# KiCad board V1.1_version_control.kicad_pcb (continued)
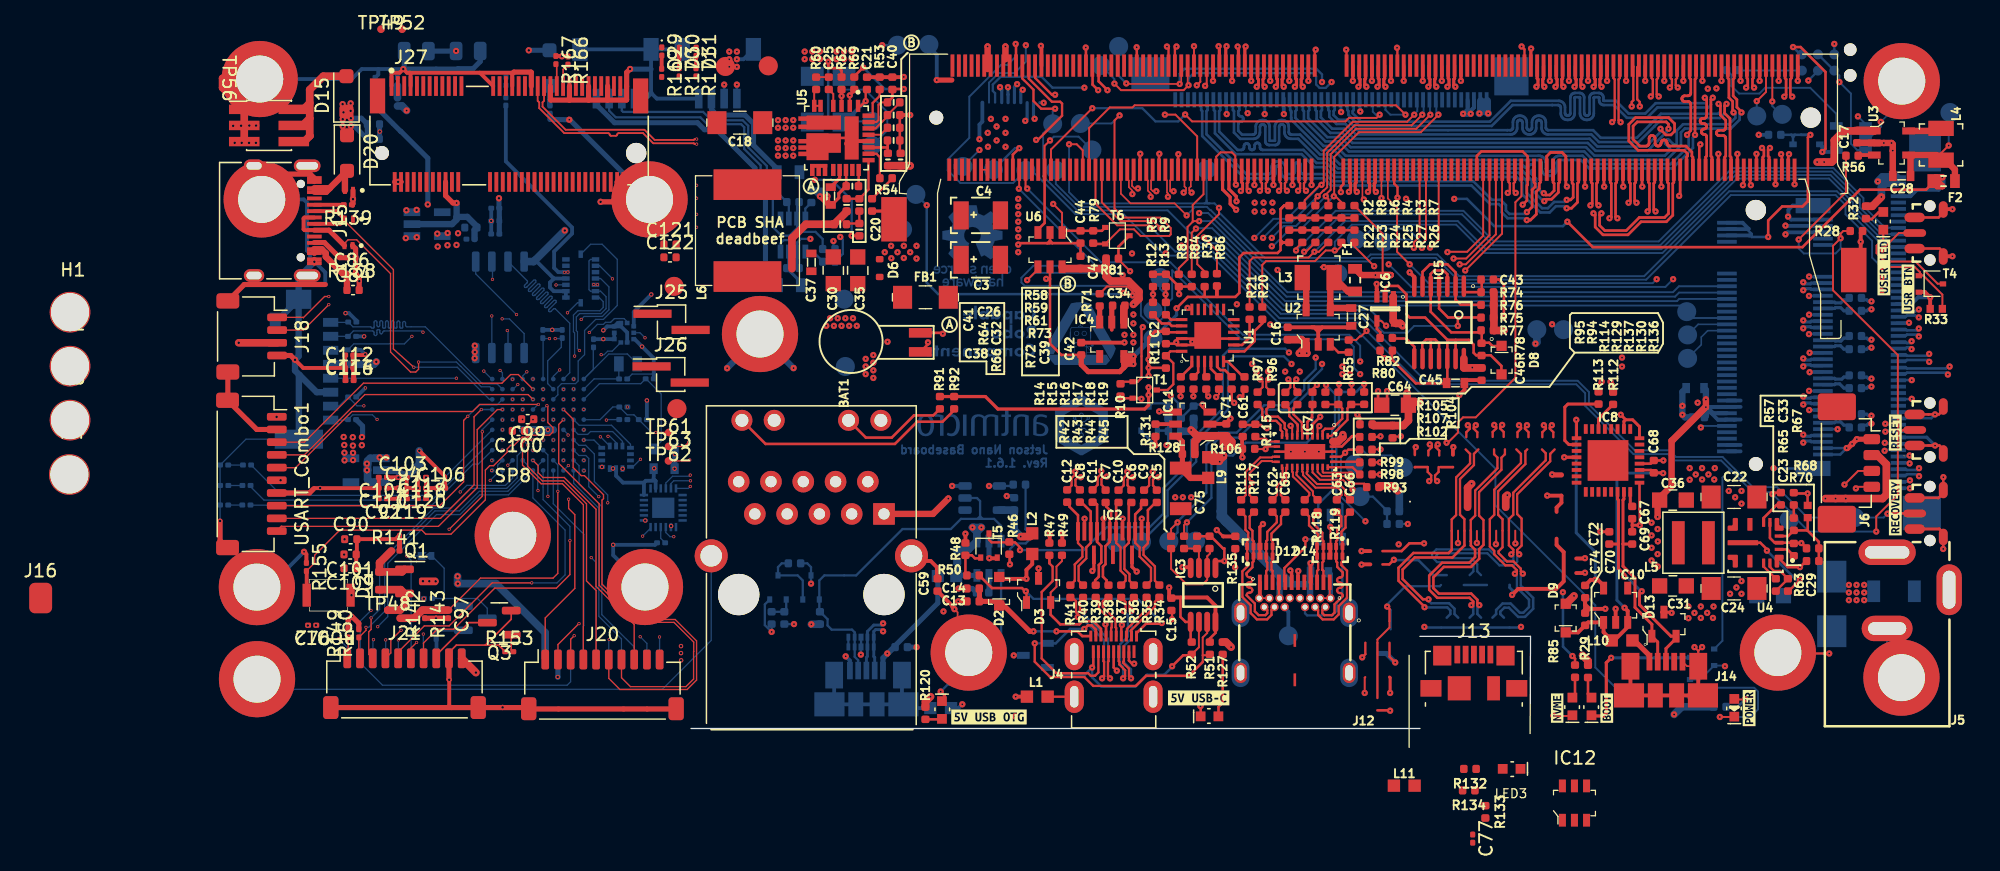
[diagram p0: board, top side]
## Via types
v1: diameter 0.5, hole 0.15, Top to Bottom, 798 vias
v2: diameter 0.5, hole 0.2, Top to Bottom, 64 vias
v3: diameter 0.35, hole 0.2, Top to Bottom, 51 vias
v4: diameter 0.25, hole 0.15, Top to Bottom, 144 vias

## Routing (per net, layer and track width the routed paths; a pad name or vN(x,y) marks a point on that pad's centre or on a via; arc(x,y) is an arc through that point)
1V8_DBG: length 16.7
  Top w0.23: IC8.1 69.67,25.77 v1(69.64,25.8)
  Top w0.3: IC10.5 71.79,12.75 71.34,13.2 v1(71.14,13.2) 70.78,13.2 C72.2
  Bottom w0.23: v1(69.64,25.8) 69.64,16.9 71.14,15.4 v1(71.14,13.2)
1V8_SYS: length 123.1
  Top w0.15: U6.1 29.19,42.1 v1(28.49,42.8)
  Top w0.2: v1(25.09,14.42) 25.07,14.44 25.07,15.18 ; 47.06,42.66 46.65,42.66 46.38,42.38 ; 46.38,42.38 46.66,42.67 R2.2 ; 46.38,42.38 46.38,39.96 ; 46.38,39.96 46.38,39.76 ; 46.38,39.96 46.57,39.77 46.71,39.77 ; 46.38,39.76 46.38,39.77 46.71,39.77 ; 46.38,39.76 46.38,39.56 ; v1(38.2,34.59) 39.09,35.48 40.36,35.48 ; R22.2 46.71,39.77 ; 46.71,39.77 46.58,39.77 46.38,39.56 ; 40.36,35.48 40.41,35.52 40.41,36.07 ; 40.36,35.48 42.82,35.48 43.14,35.8 43.14,38.6 43.48,38.93 46.15,38.93 46.38,39.16 46.38,39.56 ; U6.1 29.33,40.68 C44.2 R79.1 32.33,40.68 T6.1 ; U6.5 28.24,36.9 ; 28.24,36.9 28.24,31.8 29.13,30.9 C42.1 ; 28.24,36.9 v1(27.94,36.9)
  Top w0.23: 54.95,5.54 55,5.49 v1(55,4.29)
  Top w0.3: 41.37,35.53 41.37,36.34
  Top w0.4: 34.05,30.2 34.05,30.79 34.2,30.79 v1(34.8,30.19) ; 34.05,30.2 34.05,29.9 ; 34.05,30.2 34.06,30.19 v1(34.8,30.19) ; v1(34.8,30.19) 34.34,30.19 34.05,29.9 ; v1(34.8,30.19) v1(34.8,30.79) ; 34.05,29.9 33.74,29.59 31.25,29.59 30.7,30.14 C42.1
  Top w0.5: 34.05,30.79 v1(34.8,30.79)
  In2.Cu w0.15: v1(28.49,42.8) 28.49,37.45 v1(27.94,36.9)
  In5_3V3_SYS_SIGNAL.Cu w0.5: v1(34.8,30.19) 34.8,29.14 ; 36.49,14.75 25.42,14.75 v1(25.09,14.42) ; 36.49,14.75 37.19,14.75 37.44,14.49 ; 36.49,14.75 37.1,14.75 37.44,15.09 ; v1(55,4.29) 53.94,5.35 53.94,7.5 52.64,8.8 41.04,8.8 39.96,9.88 39.96,11.97 37.89,14.04 ; 37.44,15.09 37.34,14.99 37.34,14.59 37.89,14.04 ; 37.44,15.09 37.44,15.5 ; 37.89,14.04 37.44,14.49 ; 37.44,15.5 37.44,21.65 34.8,24.29 34.8,29.14 ; 37.44,15.5 37.44,14.49 ; 34.8,29.14 v1(34.8,30.79)
  Bottom w0.18: R111.1 26.32,17.17 26.53,16.96 26.53,16.27 26.33,16.07 25.54,16.07 25.09,15.62 v1(25.09,14.42)
  Bottom w0.25: v1(38.2,34.59) 38.2,34.05 TP37.1
  Bottom w0.4: TP37.1 36.21,32.2 v1(34.8,30.79)
3V3_FFC1: length 36.5
  Top w0.15: R7.2 54.41,40.45 54.41,37.23 v1(54.44,37.2)
  Top w0.5: v1(53.84,37.2) v1(55.04,37.2) ; v1(55.04,37.2) 52.73,37.2 F1.2 ; v1(55.04,37.2) v1(54.44,37.2)
  In2.Cu w0.4: v1(61.34,49.9) 61.22,49.81 ; 55.7,37.86 55.24,37.41
  In2.Cu w0.5: 55.24,37.41 55.7,37.86 55.7,38.35 56.02,38.67 58.33,38.67 58.88,39.22 58.88,40.86 61.13,43.11 61.13,49.33 ; 61.13,49.33 61.13,49.72 v1(61.34,49.9) ; 61.13,49.33 61.13,49.5 v1(60.74,49.9) 61.07,49.9 ; 55.54,37.7 55.03,37.2 v1(53.84,37.2)
  Bottom w0.25: 61.34,50.13 61.63,50.43 61.63,50.91 ; v1(61.34,49.9) 61.14,50.13 61.14,50.91
  Bottom w0.3: v1(61.34,49.9) 61.34,50.13 61.59,50.38 ; v1(60.74,49.9) 61.09,50.25 J1.47 ; J1.48 61.59,50.38 ; 61.59,50.38 61.47,50.27
  Bottom w0.5: v1(61.34,49.9) v1(60.74,49.9)
3V3_FFC2: length 63.8
  Top w0.15: v1(53.74,37.9) 52.19,39.44 R26.2
  Top w0.2: v1(68.94,41.4) 70.94,39.4 87.44,39.4 91.96,43.92 97.16,43.92 97.74,44.5 98.14,44.5
  Top w0.5: v1(98.44,44.9) 97.95,44.9 ; 97.95,44.9 F2.1 98.05,44.2 v1(98.44,44.2) 97.95,44.69 97.95,44.9
  In2.Cu w0.2: v1(53.74,37.9) 53.74,38.6 58.34,43.2 v1(60.04,43.2)
  Bottom w0.2: v1(68.94,41.4) 68.6,41.05 63.19,41.05 61.04,43.2 v1(60.04,43.2)
  Bottom w0.3: J2.47 95.93,43.41 ; 95.93,43.41 95.93,43.79 96.05,43.91 J2.48 96.43,43.91 ; 95.93,43.41 96.43,43.91 ; 96.43,43.91 98.15,43.91 v1(98.44,44.2)
  Bottom w0.5: v1(98.44,44.9) v1(98.44,44.2)
3V3_SYS: length 227.5
  Top w0.15: v1(47.17,25.32) 47.29,25.2 IC7.8
  Top w0.2: 19.58,27.62 20.7,27.62 ; 36.34,37.25 37.42,37.25 38.38,36.29 39.39,36.29 ; 43.43,25.39 44.83,25.39 45.08,25.14 v1(45.31,25.14) ; 39.81,16.63 40.9,16.63 41.86,15.67 41.96,15.67 v1(41.96,14.67) 41.26,14.67 41.26,14.13 ; R11.1 37.34,29.89 v1(36,29.89) ; R85.2 69.55,6.99 v1(69.34,7.2) ; 87.81,14.76 v1(87.24,14.2) 86.28,14.2 U4.1 ; R67.1 87.84,19.06 v1(87.84,20) 86.82,20 C33.1 86.84,20.06 ; v1(88.06,48.24) 87.87,48.04 87.87,43.02 87.44,42.6 85.84,42.6 84.74,41.5 v1(84.74,40.2) ; U1.21 37.43,32.69 C2.1
  Top w0.25: v1(36,28.35) v1(36,27.75) 36,26.95 35.69,26.65 24.14,26.65 23.16,27.63 R92.1 R91.2 ; v1(36,29.25) v1(36,29.89) v1(36,30.55) 36,32.25 36.51,32.76 C2.1 ; R83.2 38.38,35.71 v1(38.4,35.69)
  Top w0.3: R166.1 -9.72,54.44 -10.13,54.44 v2(-10.15,54.42) -10.17,54.44 R167.1
  Top w0.4: v2(-7.11,42.96) -6.2,42.96 -5.81,43.35 J27.72 J27.74 ; v1(67.74,21.5) 67.78,21.46 68.48,21.46 ; J27.2 -23.25,44.53 -23.24,44.53 v2(-23.04,44.53) -22.82,44.53 J27.4
  Top w0.5: 77.14,24.15 79.79,26.8 ; 77.14,24.15 77.19,24.15 v1(79.84,26.8) v1(79.84,27.4) ; 77.14,24.15 77.14,20.6 76.04,19.5 v1(76.04,18.15)
  In2.Cu w0.5: v1(36,29.89) 36.19,29.7 36.19,28.35 35.92,28.07 32.37,28.07 21.99,38.45 21.99,47.6 22.29,47.9 v1(22.69,47.9)
  In5_3V3_SYS_SIGNAL.Cu w0.2: v1(87.24,14.2) 87.84,14.8 v1(87.84,20) 87.04,20.8 81.14,20.8 78.5,18.15 v1(76.04,18.15) ; v1(68.59,12.22) 68.59,18.65
  In5_3V3_SYS_SIGNAL.Cu w0.3: -6.2,44.53 -10.15,48.48 v2(-10.15,54.42)
  In5_3V3_SYS_SIGNAL.Cu w0.4: -6.2,42.96 -6.2,41.34 -1.2,36.34 7.22,36.34 7.22,35.81 11.08,31.94 v1(15.46,31.94) ; -6.2,42.96 -6.2,44.53 v2(-23.04,44.53) ; -6.2,42.96 v2(-7.11,42.96)
  Bottom w0.2: v1(88.06,48.24) 87.33,48.24 87.33,48.24 ; 86.85,48.24 86.7,48.08 86.7,48.04 ; 86.85,48.24 87.33,48.24 ; 86.85,48.24 86.55,48.24 ; 87.33,48.24 87.75,48.24 ; 86.7,48.04 86.7,48.09 86.55,48.24 ; 86.7,48.04 D1.A ; 83.06,40.81 83.44,40.43 83.44,40.2 v1(84.74,40.2) ; v1(69.34,7.2) 68.6,7.94 v1(68.59,12.22) ; 86.55,48.24 C1.2
  Bottom w0.25: F4.1 8.63,36.65 C48.2 7.69,37.9 U7.3
  Bottom w0.3: 82.05,25.8 82.06,25.79 ; J7.16 80.14,26.81 80.03,26.71 80.43,26.31 J7.14 80.27,26.31 79.79,26.8 ; J7.16 82.57,26.81 ; J7.16 79.81,26.81 79.79,26.8 ; J7.74 82.73,41.31 83.21,40.83 83.19,40.81 J7.72 ; J7.70 83.24,40.31 83.26,40.3 ; J7.18 82.57,27.31 ; 82.57,25.81 J7.12 81.36,25.81 81.34,25.8 80.79,25.8 79.79,26.8 ; J7.4 82.57,23.81 ; J7.2 82.57,23.31 ; v1(22.69,47.9) 22.69,49.05 22.92,49.28 22.92,50.78
  Bottom w0.5: C58.2 79.84,26.11 v1(79.84,26.8) ; C57.2 79.84,28.15 v1(79.84,27.4)
  vias: v1(75.57,17.7) v1(75.57,16.7) v1(75.57,15.72) v1(75.57,14.72) v1(76.04,17.2) v1(76.06,16.22) v1(76.04,15.22) v1(76.06,14.25)
5V0_DBG: length 24.3
  Top w0.2: IC8.19 75.52,21.85 C68.2
  Top w0.23: C68.2 76.45,21.63 v1(76.48,21.6)
  Top w0.3: 68.94,9.05 69.78,9.05 C74.2 70.58,9.85 IC10.1 71.79,9.07 L10.2 72.63,8.42 73.69,9.48 IC10.3 73.69,10.75 v1(73.44,11)
  Bottom w0.23: v1(76.48,21.6) 73.34,21.6 72.84,21.1 72.84,11.6 v1(73.44,11)
5V0_SYS: length 114.3
  Top w0.6: 54.12,20.6 55.2,20.6 v1(55.59,20.21) ; v1(70.14,7.25) 70.57,6.82 70.57,6.47 ; v1(51.28,24.63) 51.28,24.45 51.25,24.43 51.25,24.43 50.91,24.09 IC7.30 ; L2.1 26.88,16.9 26.92,16.85 26.67,16.6 v1(25.93,16.6) ; 56.2,27.19 57.31,27.19 ; 56.17,26.89 56.33,27.06 v1(56.33,27.91) ; 56.24,26.81 56.26,26.8 ; IC5.14 60.8,29.88 62.23,29.88 ; v1(63.95,32.83) 63.16,32.83 63.16,35.85 ; IC6.1 55.24,35.47 55.24,33.6 IC6.5 55.45,33.39 55.8,33.39 v1(55.99,33.2) ; v1(61.41,20.77) 61.09,20.45 61.09,18.91 ; C16.1 48.03,32.11 U2.1 ; 92.43,42.61 92.93,42.61 v1(93.65,43.35) ; U2.1 48.39,31.57 v1(47.87,31.05) v1(48.44,31.05) 48.39,31.1 U2.1 ; 32.36,37.71 32.63,37.71 32.66,37.74 32.66,37.88 ; 32.36,37.71 C47.2 29.33,37.71 U6.6 ; 32.36,37.71 32.49,37.71 ; R105.1 53.69,25.34 R104.1 56.04,25.34 56.44,25.75 C64.2 ; 32.49,37.71 32.66,37.88 ; 32.49,37.71 32.66,37.54 32.66,37.48 ; 32.66,37.88 32.66,37.98 ; J6.2 93.32,23.02 94.04,22.3 94.04,19.9 93.74,19.6 v1(90.84,19.6) v1(90.04,19.6) v1(89.24,19.6) ; v1(69.47,11.93) 68.94,11.4 68.94,11.23 ; 32.66,37.48 32.66,37.08 33.02,36.72 34.42,36.72 35.24,35.9 35.24,35.33 v1(34.8,34.89) ; 32.66,37.48 32.66,37.98 ; v1(42.49,7.9) 42.09,8.29 R127.2 ; v1(88.59,46.1) v1(89.14,46.1) 89.74,46.1 89.94,46.3 89.94,47.8 90.69,48.55 U3.1 93.06,48.58 C17.1 ; R81.2 32.66,37.98 ; C71.1 42.54,24.08 v1(42.54,23.7) ; C71.1 41.89,24.29 v1(41.89,23.7) ; C71.1 42.08,24.54 40.58,24.54 ; v1(42.54,23.7) v1(41.89,23.7) ; v1(42.54,23.7) 42.11,24.13 ; v1(41.89,23.7) 42.11,23.91 42.11,24.42 42.11,24.13 ; 64.09,18.91 64.09,19.74 v1(64.22,19.87) ; 34.05,33.49 34.05,34.7 ; v1(18.84,4) 18.44,3.6 18.44,3.18 ; 42.11,24.13 42.11,24.43 ; 39.74,24.6 v1(39.34,25) ; 39.74,24.6 39.79,24.55 39.79,24.25 ; 39.74,24.6 39.8,24.54 40.58,24.54 ; 40.58,24.54 40.09,24.54 39.79,24.25 ; J21.10 v2(-16.92,5.89) ; 7.94,37.7 7.94,40.1 9.04,41.2 C38.1 12.24,42.18 R64.1 ; 39.79,24.25 39.63,24.08 R128.1 ; J18.3 v2(-35.58,31.86) ; J3.5 J3.3 J3.1 -36.85,51.95 TP56.1 ; R72.1 C39.2 17.23,45.81 v1(17.24,45.8)
  Bottom w0.6: v1(62.02,49.93) 62.14,50.04 62.14,50.91 ; v1(93.37,44.57) 93.72,44.92 94.84,44.92 ; v1(62.71,49.93) 62.63,50 62.63,50.91 ; v1(22.84,17.32) 22.74,17.32 22.49,17.07 22.24,17.32 v1(22.14,17.32) ; v1(22.84,17.32) 22.49,16.97 ; v1(22.84,17.32) v1(22.14,17.32) ; v1(66.44,31.8) 66.54,31.9 TP41.1 ; 22.49,16.97 v1(22.14,17.32) ; 22.49,16.97 IC9.1 21.83,15.58 R122.1 ; v1(77.34,2.6) 77.94,3.2 R31.2 ; v1(93.65,43.35) 93.65,44.09 93.99,44.43 94.84,44.43 ; U8.5 C60.2 25.42,17.11 v1(25.93,16.6) ; R108.2 10.13,9.7 v1(9.47,9.7) ; v1(55.59,20.21) 55.73,20.07 R100.2 ; R125.2 39.54,25.2 v1(39.34,25) 39.24,24.9 R121.2 ; J17.1 -18.02,6.99 v2(-16.92,5.89) ; D24.2 -22.73,50.51 v1(-22.37,50.15)
  vias: v1(13.74,30.6) v1(13.74,30) v1(13.74,29.4) v1(14.34,30.9) v1(14.34,30.3) v1(14.34,29.7) v1(14.34,29.1) v1(34.8,34.09) v1(34.8,33.39) v1(57.29,27.2) v1(61.47,29.91) v2(-36.02,48.95) v2(-35.9,47.61) v2(-35.4,48.96) v2(-35.35,47.61) v2(-34.75,48.97) v2(-34.77,47.61) v2(-34.22,48.97) v2(-34.23,47.61) v2(-32.6,26.03) v3(-32.29,21.04) v3(-29.51,9.62) v3(-0.79,7.98) v3(-0.79,7.43) v3(-0.78,6.86)
/NextPx4/VBUS: length 11.2
  Top w0.4: -27.23,45.24 D20.2 ; -27.07,37.26 C86.1
  Top w0.5: C84.1 -27.07,37.26 ; D16.2 -27.23,45.24 ; -29.61,43.76 -28.71,43.76 -28.43,44.03 ; -28.43,44.03 D20.2 ; -28.43,44.03 J15.A4 ; -29.63,38.96 J15.B4 -29.06,39.23 -28.73,38.91 -28.73,38.64 -27.39,37.3 C86.1
/Supply/3V3_EN: length 2
  Top w0.2: 85.65,19.09 85.4,19.09 84.38,18.07 U4.7
/Supply/3V3_FB: length 6.2
  Top w0.2: R70.2 88.73,16.18 87.85,17.06 ; 87.85,17.06 87.82,17.09 R65.2 86.31,16.64 U4.4 ; 87.85,17.06 R67.2
/Supply/3V3_R_C_BOOT: length 3.5
  Top w0.18: R63.2 86.29,13.26 C29.2 85.68,13.9 85.19,13.9 84.88,14.21 U4.14
/Supply/3V3_SW: length 7
  Top w0.18: v1(87.24,13.2) 86.51,12.46 86.29,12.46
  Top w0.2: U4.10 84.12,16.12 84.64,15.6 v1(84.64,15.5)
  Bottom w0.2: v1(87.24,13.2) 86.94,13.2 v1(84.64,15.5)
/Supply/3V3_VCC: length 1.4
  Top w0.2: C23.1 86.25,15.59 U4.2
/Supply/3V3_VIN:
  vias: v1(81.64,20.2) v1(81.74,12.1) v1(82.14,19.7) v1(82.24,12.6) v1(82.64,20.2) v1(82.64,19.2) v1(82.64,13.1) v1(82.64,12.1)
/Supply/5V_BOOT: length 1.4
  Top w0.15: U5.4 11.19,51.46 C25.1
/Supply/5V_COMP: length 2.7
  Top w0.18: R54.1 14.86,46.48 14.59,46.75 13.97,46.75
/Supply/5V_EN: length 9.2
  Top w0.15: R62.1 v1(11.84,51.3) U5.3
  Bottom w0.15: TP32.1 15.44,48.6 15.44,50.04 13.68,51.8 11.99,51.8 11.84,51.65 v1(11.84,51.3)
/Supply/5V_FB: length 5.2
  Top w0.15: R72.2 15.49,47.25 ; 15.49,47.25 14.79,47.25 ; 15.49,47.25 15.49,47.76 R73.1 ; 14.79,47.25 14.91,47.25 ; 14.79,47.25 13.97,47.25
  Top w0.18: R73.1 15.46,47.21 ; 15.46,47.21 15.42,47.25 13.97,47.25 ; 15.46,47.21 15.46,46.82 R72.2
/Supply/5V_FSW: length 1.7
  Top w0.15: 13.97,48.25 14.91,48.25 R61.1
/Supply/5V_ILIM: length 3.4
  Top w0.15: 13.97,48.75 14.52,48.75 15.46,49.69 R59.1 16.43,50.77 R58.1
/Supply/5V_MODE: length 2.6
  Top w0.18: R53.1 14.84,51.3 14.29,50.75 14.29,49.75 13.97,49.75
/Supply/5V_PHASE: length 1.9
  Top w0.15: U5.5 U5.6 9.69,51.66 R60.2
/Supply/5V_SNS: length 2
  Top w0.18: C38.2 12.29,41.26 R66.2 C32.1
/Supply/5V_SS: length 1.3
  Top w0.2: C26.1 13.19,44.21 13.19,45.47
/Supply/5V_SW: length 7
  Top w0.18: R66.1 12.65,40.29 v1(12.64,40.3)
  Bottom w0.18: v1(9.74,44.7) 11.04,44.7 12.64,43.1 v1(12.64,40.3)
/Supply/5V_VIN: length 13
  Top w0.18: C21.1 13.74,51.71 v1(13.74,50.9) 13.37,50.52 U5.1
  Top w0.2: v1(10.79,54) 10.79,53.65 10.94,53.5 11.64,53.5 11.84,53.3 R62.2
  Bottom w0.15: FB2.2 12.09,49.3 TP30.1
  Bottom w0.2: v1(10.79,54) 10.79,49.4
  Bottom w0.3: v1(13.74,50.9) 12.09,49.25 FB2.2
  vias: v1(6.84,49.4) v1(6.84,48.8) v1(7.44,49.4) v1(7.44,48.8) v1(8.04,49.4) v1(8.04,48.8)
/Supply/VDD_5V_DCDC: length 9.9
  Top w0.15: 13.97,49.25 14.59,49.25 14.74,49.4 14.74,50.6 14.94,50.8 R58.2
  Top w0.2: R58.2 15.84,51.18 C40.1 15.88,51.85 v1(16.74,51.85) ; v1(13.54,53.55) 12.84,52.85 R69.1
  Bottom w0.2: v1(16.74,51.85) 15.24,51.85 v1(13.54,53.55)
GND: length 717.4
  Top w0.1: C99.1 -13.1,25.12 C100.1
  Top w0.125: v1(20.72,10.89) 20.97,10.64 20.97,8.69 22.2,7.47 ; J14.S 78.36,6.39 J14.5 ; M1.250 M1.248 ; v1(52.93,43.15) 52.82,43.26 M1.138 ; 54.32,43.26 M1.132 ; J12.B1 J12.Shell ; Q3.2 -14.14,10.09 -16.18,8.06 ; -16.18,8.06 -15.14,8.06 R153.1 ; -16.18,8.06 -18.46,8.06 -19.04,7.47 J21.9 ; J12.B12 J12.Shell
  Top w0.15: 60.34,17.06 60.34,16.1 v1(60.34,16.09) ; v1(61.82,16.1) 61.82,17.05 ; 50.29,15.87 50.31,15.89 50.31,17.12 ; J12.A12 50.25,11.8 J12.B1 ; 64.84,17.06 64.84,16.07 v1(64.85,16.06) ; v1(79.54,7.9) 79.24,7.59 J14.S 79.24,7.6 v1(78.94,7.9) ; 63.34,17.06 63.34,16.03 v1(63.32,16.01)
  Top w0.152: M1.176 41.32,46.52 41.66,46.86 42.55,46.86 42.82,46.58 42.82,46.19
  Top w0.18: v1(52.8,7.09) 53.05,7.34 53.05,8.24 ; v1(89.54,7.4) 85.57,7.4 SP4.1 ; T1.2 33.96,27.5 R10.1 ; v1(37.84,10.1) 37.84,10.73 C15.1 ; v1(55.4,6.69) 54.95,7.14 54.95,8.24 ; R107.1 54.19,24.45 v1(54.24,24.5) ; v1(39.06,34.61) 39.18,34.49 U1.18 ; 38.62,18.7 C75.1
  Top w0.2: 44.32,44.29 44.32,44.29 44.32,45.49 ; v1(98.52,21.28) 98.52,21.28 REC1.SH1 98.52,20.02 98.14,19.64 REC1.3 ; M1.102 61.82,45.49 61.82,46.57 62.18,46.93 65.43,46.93 65.82,46.54 65.82,44.3 65.76,44.24 65.76,43.07 v1(65.43,42.74) ; v1(51.13,43.73) 51.13,44.16 51.32,44.35 M1.144 ; M1.32 79.32,47.51 ; 38.2,32.07 38.2,31.94 38.05,31.79 37.36,31.79 ; 39.06,34.6 v1(39.06,34.61) ; 63.95,33.86 63.95,36.44 63.55,36.85 63.16,36.85 ; IC2.2 35.44,17.99 v1(35.46,18.01) ; IC2.5 33.94,17.99 v1(33.96,18.01) ; IC2.8 32.44,17.99 v1(32.46,18.01) ; v1(30.96,18.01) 30.94,17.99 IC2.11 ; 31.07,53.69 31.07,55.11 ; IC7.13 IC7.28 ; 35.07,53.69 35.07,55.13 v1(35.06,55.13) ; v1(54.05,28.06) 54.05,27.26 54.42,26.89 54.76,27.23 v1(54.76,28.06) ; 60.86,28.67 61.11,28.92 ; RST1.1 v1(97.87,23.77) ; 28.24,39.9 28.24,39.78 28.18,39.71 ; 28.24,39.9 U6.2 ; 28.24,39.9 28.06,39.71 28.01,39.71 ; 28.24,39.9 28.43,39.71 ; 87.76,15.68 87.76,15.68 v1(87.35,16.09) 86.79,16.09 C23.2 86.7,16.12 U4.3 85.26,16.12 84.88,16.49 U4.6 ; U5.9 10.66,48 U5.28 ; 28.43,39.71 C44.1 C47.1 ; 28.43,39.71 28.18,39.71 ; 28.01,39.71 28.18,39.71 ; 28.01,39.71 25.86,39.71 v1(25.74,39.6) ; RST1.SH2 98.52,23.47 98.22,23.77 97.32,23.77 ; v1(98.51,15.63) 98.52,15.64 REC1.SH2 98.52,16.89 98.2,17.21 ; v1(41.36,17.11) 41.85,16.63 41.86,16.63 ; U1.22 40.4,32.19 U1.25 ; 96.27,17.21 98.2,17.21 ; 98.2,17.21 98.19,17.19 REC1.1 ; U1.25 40.9,32.19 U1.9 ; U1.25 39.9,31.69 U1.23 ; IC8.20 75.49,22.35 C68.1 v1(76.49,22.6) ; USR1.SH2 98.52,39 98.23,39.28 USR1.1 ; 56.94,23.03 56.94,23.57 v1(57.02,23.65) ; v1(74.64,17.5) 74.64,18.72 74.62,18.74 IC8.17 ; C39.1 16.43,46.85 R59.2 ; RST1.SH1 98.52,26.57 98.17,26.22 97.35,26.22 RST1.3 ; BAT1.- 18.64,31.75 v1(18.64,31.9) ; 12.19,45.47 12.21,45.46 C26.2 ; 27.34,13.35 27.34,14.11 ; v1(35.34,46.75) 35.32,46.72 M1.200 ; USR1.3 98.15,41.73 98.52,42.09 USR1.SH1
  Top w0.22: 70.32,44.18 70.32,45.49 ; 73.32,44.18 73.32,45.49 ; 74.82,44.18 74.82,45.49 ; 76.32,44.18 M1.44 ; v1(71.84,44.16) 71.82,44.18 M1.62 ; 77.82,45.49 77.82,43.51 v1(77.74,43.43) ; M1.26 80.82,46.73 v1(80.82,46.74) ; M1.20 82.32,46.73 ; M1.14 83.82,46.73 ; M1.8 85.32,44.35 v1(85.32,44.35) ; v1(86.82,44.35) 86.82,44.35 M1.2 ; v1(68.91,44.16) 68.82,44.25 68.82,46.56 68.53,46.85 67.62,46.85 67.32,46.55 M1.80
  Top w0.23: C70.1 71.56,16.98 v1(71.54,17) ; v1(73.14,26.2) 73.51,25.83 73.51,25.8 ; v1(77.14,10.6) 77.09,10.65 76.34,10.65 ; 73.51,25.8 73.39,25.68 IC8.26 ; 73.51,25.8 74.08,25.8 74.62,25.26 IC8.24 ; 74.04,17.5 C69.1 ; 74.04,17.5 C67.1 ; 74.04,17.5 v1(74.64,17.5) ; v1(35.43,27.45) 35.38,27.5 T1.2
  Top w0.25: v1(66.09,55.03) 66.07,55.01 66.07,53.69 ; v1(45.82,44.29) 45.82,45.49 ; 47.32,44.29 47.32,45.49 ; 48.82,44.29 48.82,45.49 ; 60.57,52.49 60.57,53.69 ; 59.07,52.49 59.07,53.69 ; 57.57,52.49 57.57,53.69 ; 56.07,52.49 M1.125 ; 55.07,52.49 M1.129 ; 53.57,52.49 M1.135 ; 52.07,52.49 M1.141 ; 45.57,52.49 45.57,53.69 ; 47.07,52.49 M1.153 ; 48.57,52.49 48.57,53.69 ; 41.07,52.49 41.07,53.69 ; 42.57,52.49 42.57,53.69 ; 44.07,52.49 44.07,53.69 ; 87.07,52.49 M1.1 ; 85.57,52.49 M1.7 ; 84.07,52.49 M1.13 ; 82.57,52.49 M1.19 ; 81.07,52.49 M1.25 ; 79.57,52.49 79.57,53.69 ; 78.07,52.49 78.07,53.69 ; 76.57,52.49 76.57,53.69 ; 75.07,52.49 75.07,53.69 ; 73.57,52.49 73.57,53.69 ; 72.07,52.49 72.07,53.69 ; 70.57,52.49 70.57,53.69 ; 67.57,52.49 67.57,53.69 ; 69.07,52.49 69.07,53.69 ; 42.82,44.29 42.82,45.49 ; v1(44.99,17.59) 44.75,17.35 D12.3 ; C20.1 15.32,42.24 15.97,41.59 ; IC8.4 v1(68.69,22.85) ; C41.2 11.07,42.72 11.62,43.28 11.62,43.61 C26.2
  Top w0.3: v1(70.33,13.76) 70.3,13.73 69.64,13.73 ; v1(70.33,14.9) 70.3,14.88 69.64,14.88 ; v1(29.21,16.81) 29.21,16.12 29.18,16.09 ; 21.59,16.09 v1(21.59,16.83) ; v1(23.47,14.9) 23.48,14.89 24.07,14.89 ; v1(52.75,15.46) 53.44,15.46 ; v1(52.75,14.39) 52.77,14.41 53.44,14.41 ; 91.47,37.59 92.02,38.14 v1(92.02,39.82) 92.02,40.52 R28.2 ; v1(56.54,37.41) 56.9,37.04 IC5.7 ; R33.2 v1(97.48,35.45) 97.07,35.87 96.68,35.87 ; USR1.SH2 98.53,38.68 v1(99.23,38.68) ; USR1.SH1 98.54,42.38 v1(99.23,42.38) ; 60.86,28.67 60.86,28.67 60.86,28.16 v1(60.45,27.75) ; 43.43,24.43 43.36,24.35 43.36,22.78 ; v1(36.54,23.78) 36.54,24.28 ; 44.75,11.65 J12.A1 ; 50.29,15.1 50.29,15.87 ; v1(38.66,14.19) 39.25,14.19 IC3.4 ; v1(28.22,16.78) 28.22,16.12 28.19,16.09 ; 61.11,28.92 62.23,28.92 ; 42.82,16.61 41.87,16.61 41.86,16.63 ; J14.S 79.24,4.46 J14.S J14.S J14.S J14.S 73.91,4.21 J14.S ; 72.74,9.83 v1(72.74,10.91) ; v1(21.05,12.51) 21.73,12.51 ; v1(21.02,11.5) 21.73,11.5 ; C21.2 C40.2 16.73,52.78 v1(16.74,52.8) ; -26.6,42.65 R139.1 ; R155.1 -30.26,15.22 v1(-30.44,15.4) ; v2(-31.15,30.52) -30.51,29.88 C112.1 C116.2 -27.21,30.85 ; v3(-19.02,5.33) -19.02,3.3 -18.86,3.14 ; v1(53.94,36.5) 53.94,36.06 53.96,36.05 IC6.3 ; -22.14,53.13 -22.06,53.05 J27.7 ; -22.14,53.13 -22.34,53.13 v2(-22.63,53.42) -22.92,53.13 -23.49,53.13 -23.56,53.05 J27.1 ; -22.14,53.13 -16.61,53.13 ; C27.2 51.83,33.08 49.66,33.08 ; v1(27.53,55.25) 27.57,55.2 27.57,53.69 ; 13.97,47.75 12.89,47.75 U5.28 12.19,47.55 ; C16.2 48.86,33.08 ; 48.86,33.08 49.03,33.08 49.34,32.77 ; 48.86,33.08 49.66,33.08 ; 49.34,32.77 U2.2 ; 49.34,32.77 49.66,33.08 ; C106.2 -19.34,21.33 v3(-21.37,23.36) ; 70.67,10.91 70.36,10.91 70.34,10.9 ; 70.67,10.91 v1(71.93,10.91) ; 70.67,10.91 C74.1 70.34,10.9 ; 70.67,10.91 70.62,10.91 70.34,11.2 ; 70.67,10.91 70.34,11.25 70.34,11.4 ; J27.33 -16.61,53.13 ; -16.61,53.13 -14.14,53.13 -14.06,53.05 J27.39 ; C119.1 -22.35,20.42 C94.2 ; C94.2 v3(-21.5,20.43) -21.49,20.44 C118.2 ; C94.2 -22.37,20.44 C103.2 ; 33.1,33.49 33.1,32.89 ; L1.1 v1(25.54,4) ; C72.1 70.34,11.4 ; 70.34,11.4 70.34,11.2 ; C110.2 C92.2 ; C110.2 -24.56,20.42 C104.2 ; C110.2 -29.64,20.42 -29.7,20.36 ; v1(20.72,10.89) 20.57,11.04 20.57,11.13 C59.2 ; v3(-22.93,16.71) -23.25,16.4 C90.2 -26.29,15.25 C101.1 C109.1 ; C42.2 34.09,31.87 v1(34.1,31.89) ; 70.34,11.2 70.34,10.9 ; 40.58,25.48 C71.2 42.11,25.56 v1(42.44,25.9) ; R59.2 v1(17.24,49.8) ; C117.1 C120.2
  Top w0.4: -1.16,3.02 -12.76,3.02 -12.88,3.14 -14.81,3.14 v3(-14.82,3.15) -14.84,3.14 -28.34,3.14 ; J18.MP -35.15,36.45 -28.77,36.45 ; v2(-26.6,43.17) -26.59,43.17 ; v2(-26.6,43.17) -26.59,43.18 D16.1 ; v2(-26.6,43.17) -26.6,42.82 R139.1 ; -9.56,51 -9.59,50.98 -11.04,50.98 -11.06,51 J27.51 ; -9.56,51 J27.57 ; -9.56,51 -9.54,50.98 -8.09,50.98 -8.06,51 ; -8.06,51 -8.04,50.98 -6.59,50.98 -6.56,51 ; -8.06,51 J27.63 ; v2(-4.79,53.42) -5.06,53.15 J27.75 -5.06,51 -5.09,50.98 -6.54,50.98 -6.56,51 ; USART_Combo1.2 -34.16,25.04 USART_Combo1.MP -36.44,27.36 J18.MP -36.54,29.46 ; J21.9 -19.04,5.35 v3(-19.02,5.33) ; C97.2 -20.04,10.17 v3(-20.06,10.15) -20.08,10.17 R143.2 ; -36.54,15.76 -37.05,16.27 v3(-37.05,17.83) ; J6.1 v1(91.72,24.27) 91.01,23.57 v1(90.92,23.57) ; -6.56,51 J27.69 ; J27.18 -19.31,43.45 -18.73,42.87 v1(-18.44,42.87) ; SP11.1 -31.78,45.15 -29.95,45.15 J15.A1 -29.63,44.56 ; J18.4 -31.49,30.86 v2(-31.15,30.52) ; J27.45 -12.56,53.15 -12.59,53.18 -13.94,53.18 -14.06,53.05 ; -26.62,39.52 D19.1 -26.39,39.28 R138.1 C86.2 -26.11,37.01 -26.11,36.73 v3(-26.1,36.72) -26.11,36.71 C84.2 ; C114.1 -27.18,29.85 C112.1 ; USART_Combo1.7 -30.02,20.04 -29.7,20.36 ; R141.2 v3(-22.93,16.71) ; v1(10.14,43.4) 10.82,42.72 C41.2 10.74,42.97 v1(10.74,43.4) ; J15.B1 J15.A12
  Top w0.406: 33.1,33.49 33.1,34.72
  Top w0.5: 24.72,54.19 24.73,54.21 v1(24.73,55.2) ; C17.2 93.08,47.61 U3.2 v1(93.84,47.6) v1(94.44,47.6) 94.54,47.5 v1(94.54,47) C28.2 ; 23.33,53.42 v1(23.33,55.2) ; v1(20.24,19.6) 19.03,18.39 J10.1
  In2.Cu w0.4: v1(55.67,15.99) 55.87,15.8 55.87,13.27 56.76,12.37 58.12,12.37 58.44,12.06 60.07,12.06 60.8,12.79
  Bottom w0.1: -2.93,29.52 -3.04,29.4 -4.63,29.4 C108.2 ; v3(-37.05,17.83) R158.2 -37.04,19.09 R157.2 -37.05,20.63 R156.2 -35.01,24.27 J23.9 ; U24.11 -7.63,24.2 v4(-8.43,24.2)
  Bottom w0.125: 43.82,49.84 43.65,50.02 43.65,50.94 ; SP3.1 94.1,6.62 J5.3 ; v1(93.6,49.26) 95.25,50.91 SP1.1
  Bottom w0.15: T3.2 79.39,5.35 T2.2 81.29,6.45 v1(81.34,6.4) ; TP40.1 68.23,32.9 v1(67.74,33.32)
  Bottom w0.18: C48.1 8.34,37.9 U7.2 8.34,39.76 8.63,40.05 v1(9.39,40.05) ; T9.2 35.39,24.93 v1(36.54,23.78) ; v1(50.29,17.36) 50.29,17.37 D11.3 ; R126.1 38.54,26.9 v1(37.74,27.7) ; v1(13.36,7.31) 13.36,7.9 D10.3 13.38,8.68 ; R101.1 v1(56.39,17.6) ; TP1.5 v1(89.94,55.4) ; T8.2 5.81,11.26 5.81,9.63 v1(6.34,9.1) R109.2
  Bottom w0.2: v1(85.16,21.99) 85.19,21.96 J7.SH1 ; v1(96.03,27.45) 96.01,27.43 94.84,27.43 ; v1(96.03,28.92) 96.03,28.92 94.84,28.92 ; J7.1 90.41,23.06 90.91,23.56 J7.3 ; v1(87.97,26.56) J7.15 ; 87.97,28.06 J7.21 ; v1(87.95,35.55) 87.96,35.56 J7.51 ; 87.97,37.06 J7.57 ; v1(87.96,34.08) 87.97,34.06 J7.45 ; 87.97,32.56 J7.39 ; v1(88,31.08) 88.02,31.06 J7.33 ; 87.97,29.56 J7.27 ; J7.9 90.17,25.06 ; 60.8,12.79 62.61,12.79 ; v1(97.87,26.22) 97.57,25.93 94.84,25.93 ; D4.3 v1(25.39,7.25) ; IC1.2 92.69,47.99 93.6,48.9 v1(93.6,49.26) ; TP38.1 v1(15.04,55.3)
  Bottom w0.22: 51.14,50.91 51.14,50.04 v1(51.14,50.03) ; 94.84,33.43 95.8,33.43 ; 52.64,50.04 52.64,50.91 ; 42.14,50.03 42.14,50.04 42.14,50.91 ; 45.14,50.91 45.14,50.01 45.13,50.01
  Bottom w0.25: v1(27.74,50.76) 27.73,50.77 27.44,50.77 ; 94.84,24.43 97.21,24.43 v1(97.87,23.77)
  Bottom w0.3: J7.SH2 86.66,42.66 86.33,42.33 86.33,41.83 v1(86.31,41.8) 86.54,41.56 J7.75 ; v1(86.1,40.4) 86.27,40.56 J7.71 ; v1(86.1,41.09) 86.13,41.06 J7.73 ; v1(97.48,35.45) 96.54,35.45 96.02,34.92 94.84,34.92 ; v1(46.64,49.87) 46.64,49.88 46.64,51.11 ; -3.7,20.85 -3.56,21 -2.81,21 ; -3.7,20.85 U26.18 ; -3.7,20.85 -5.36,20.85 -5.89,21.39 U24.6 -6.13,21.96 v3(-6.14,21.97) -6.15,21.96 U24.7 ; -24.6,53.42 v2(-22.63,53.42) ; -24.6,53.42 -24.6,52.98 R145.1 ; -24.6,53.42 -25.91,53.42 -26.69,52.63 SP5.1 ; J19.MP J19.MP -12.86,3.15 J17.MP J17.MP ; C60.1 25.29,19.8 v1(24.84,19.8) ; SP9.1 -6.12,15.13 v3(-6.12,15.95) -2.83,15.95 C115.2 ; -10.78,36.93 -11.09,36.61 -11.09,36.22 -10.8,35.93 U25.6 U25.7 ; -10.78,36.93 U25.4 ; -10.78,36.93 -10.8,36.93 -12.25,38.38 ; SP11.1 -30.46,43.15 -30.21,42.9 -30.21,39.13 -29.97,38.89 -29.97,38.29 -29.66,38.29 -29.63,38.26 v3(-29.63,38.24) -29.61,38.24 -28.77,37.4 -28.77,36.45 ; J11.5 12.5,6.84 v1(12.17,7.17) ; C95.2 v3(-15.72,41.46) C111.2 ; 20.46,3.1 21.04,3.1 v1(21.34,3.4) ; -21.42,23.32 v3(-21.37,23.36) -21.36,23.37 ; J8.S2 J8.S1 ; J8.S2 J9.S1 -0.34,55.32 ; J8.S2 -3.14,51.54 -2.69,51.09 J9.1 ; U27.3 -4.51,34.29 v3(-3.13,35.67) ; -2.81,21 -2.78,20.97 U26.20 ; -2.81,21 -2.94,21.13 v3(-2.9,21.98) -2.94,21.95 ; v1(3.61,54.19) 4.13,54.19 J9.S2 4.56,55.32 ; v3(-19.02,5.33) J17.2 ; C107.2 -6.91,32.15 v3(-6.9,32.16) -6.89,32.15 U27.8 U27.9 ; U27.5 -4.44,32.15 v3(-3.85,31.56) -2.93,30.64 C102.2 ; SP12.1 -33.22,12.62 v1(-30.44,15.4) -30.42,15.38 ; C1.1 v1(84,48.24) ; U8.3 v1(20.54,20.59) ; C105.2 v3(-3.47,27.32)
  Bottom w0.4: J12.B1 50.3,13.63 C78.1 ; v1(10.14,43.4) 10.14,43.6 9.86,43.88 ; v1(10.14,43.4) v1(10.74,43.4) 10.26,43.88 9.86,43.88 ; v1(10.14,43.4) 9.66,43.88 R89.1 9.86,43.88 ; J8.4 -3.59,51.09 -3.14,51.54 ; 54.09,7.4 54.69,7.4 v1(55.4,6.69) ; SP10.1 -9.57,49.46 v1(-9.58,49.43) -11.09,49.46 R140.2 ; C82.2 -24.5,47.93 -24.5,48.48 v3(-24.49,48.5) -24.5,48.51 C83.2 ; v1(17.74,7.9) C73.1 ; C87.2 -16.58,54.01 -17.15,53.45 -18.33,53.45 -18.36,53.42 v2(-22.63,53.42) -22.56,53.49 C88.2 ; v1(23.47,14.9) 23.44,14.93 IC9.2 ; -10.47,5.53 -10.47,5.53 v3(-10.49,5.55) -10.47,5.56 J19.9 ; -3.14,53.41 -4.78,53.41 v2(-4.79,53.42) ; v1(21.05,12.51) 22.14,12.51 R124.2
  Bottom w0.5: v1(8.07,29.87) 8.06,29.87 5.45,32.48 2.84,29.87 v1(2.84,29.86) ; J23.9 -30.85,29.27 -30.8,29.32 ; J23.9 -32.52,33.64 J23.9 ; J23.9 -30.87,37 v3(-29.63,38.24) ; J23.9 -30.87,30.8 v2(-31.15,30.52) -31.15,29.67 -30.8,29.32 ; U11.2 -18.8,41.21 -18.44,41.56 -18.44,41.78 ; 78.76,26 78.19,26 v1(77.99,26.2) v1(77.99,26.9) 77.99,28 C57.1 ; -30.8,29.32 -29.45,27.97 J23.6 ; -18.44,41.78 -17.6,41.78 -16.84,41.01 C91.2 -17.03,40.75 C93.2 ; -18.44,41.78 v1(-18.44,42.87)
  Bottom w0.6: U10.2 -23.11,21.83 -22.74,21.46 -22.22,21.46 -21.37,22.31 v3(-21.37,23.36) ; v2(-9.93,40.7) -12.38,38.26 U28.4
  vias: v1(6.84,47.8) v1(6.84,47.2) v1(6.84,46.6) v1(7.44,47.8) v1(7.44,47.2) v1(7.44,46.6) v1(8.04,47.8) v1(8.04,47.2) v1(8.04,46.6) v1(8.94,54.8) v1(8.94,54.2) v1(9.54,54.8) v1(9.54,54.2) v1(10.14,54.8) v1(10.14,54.2) v1(15.24,39) v1(15.74,39.5) v1(15.76,38.52) v1(16.24,39) v1(16.74,39.5) v1(16.74,38.54) v1(17.24,39) v1(17.74,39.5) v1(17.74,38.5) v1(19.86,10.71) v1(23.34,48.4) v1(23.36,47.3) v1(23.59,49.5) v1(24.04,48.9) v1(24.04,47.8) v1(24.74,49.5) v1(24.74,48.4) v1(24.74,47.3) v1(25.49,2.45) v1(25.74,43.2) v1(25.74,42.6) v1(25.74,42) v1(25.74,41.4) v1(25.74,40.8) v1(25.74,40.2) v1(25.74,39) v1(27.34,14.1) v1(31.06,55.11) v1(34.1,32.49) v1(34.8,32.49) v1(34.8,31.89) v1(38.09,19.7) v1(38.17,31.9) v1(38.69,19.7) v1(39.34,19.7) v1(39.44,31.95) v1(41.07,52.49) v1(42.14,49.87) v1(42.57,52.49) v1(42.87,44.31) v1(42.94,34.9) v1(43.38,22.84) v1(43.79,49.95) v1(44.07,52.49) v1(44.14,30.2) v1(44.32,44.29) v1(44.34,42.9) v1(44.34,42.2) v1(44.49,29.55) v1(45.04,42.9) v1(45.04,42.2) v1(45.13,49.87) v1(45.39,29.6) v1(45.57,52.49) v1(45.74,42.9) v1(45.74,42.2) v1(46.14,37.6) v1(46.74,29.6) v1(47.07,52.49) v1(47.19,23.29) v1(47.32,44.29) v1(47.89,29.6) v1(48.29,23.29) v1(48.57,52.49) v1(48.82,44.29) v1(49.39,23.29) v1(51.24,30) v1(51.24,29.4) v1(51.84,29.4) v1(52.07,52.49) v1(52.65,50.08) v1(53.57,52.49) v1(54.32,43.26) v1(55.07,52.49) v1(56.07,52.49) v1(57.57,52.49) v1(59.07,52.49) v1(60.57,52.49) v1(63.94,33.86) v1(67.57,52.49) v1(69.07,52.49) v1(70.34,44.16) v1(70.57,52.49) v1(72.07,52.49) v1(73.34,44.16) v1(73.57,52.49) v1(74.84,44.16) v1(75.07,52.49) v1(76.34,44.16) v1(76.57,52.49) v1(78.07,52.49) v1(78.47,11.1) v1(78.47,10.18) v1(78.57,22) v1(78.57,21.08) v1(78.94,10.6) v1(79.04,21.5) v1(79.19,27.15) v1(79.4,47.49) v1(79.44,11.1) v1(79.44,10.2) v1(79.57,52.49) v1(79.54,22) v1(79.54,21.1) v1(79.94,10.6) v1(80.04,21.5) v1(80.44,11.09) v1(80.4,10.2) v1(80.54,21.99) v1(80.5,21.1) v1(81.07,52.49) v1(82.32,46.74) v1(82.57,52.49) v1(83.82,46.74) v1(84.07,52.49) v1(85.57,52.49) v1(87.07,52.49) v1(87.96,37.08) v1(87.95,32.55) v1(87.96,28.08) v1(88,29.55) v1(90.2,25.06) v1(91.34,23.9) v1(95.82,33.44) v3(-30.15,9.6) v3(-29.18,20.43) v4(-12.43,25.81) v4(-11.64,25.8) v4(-10.83,25.8) v4(-9.23,27.41) v4(-8.43,22.61)
